# KiCad board ghoul.kicad_pcb (continued)
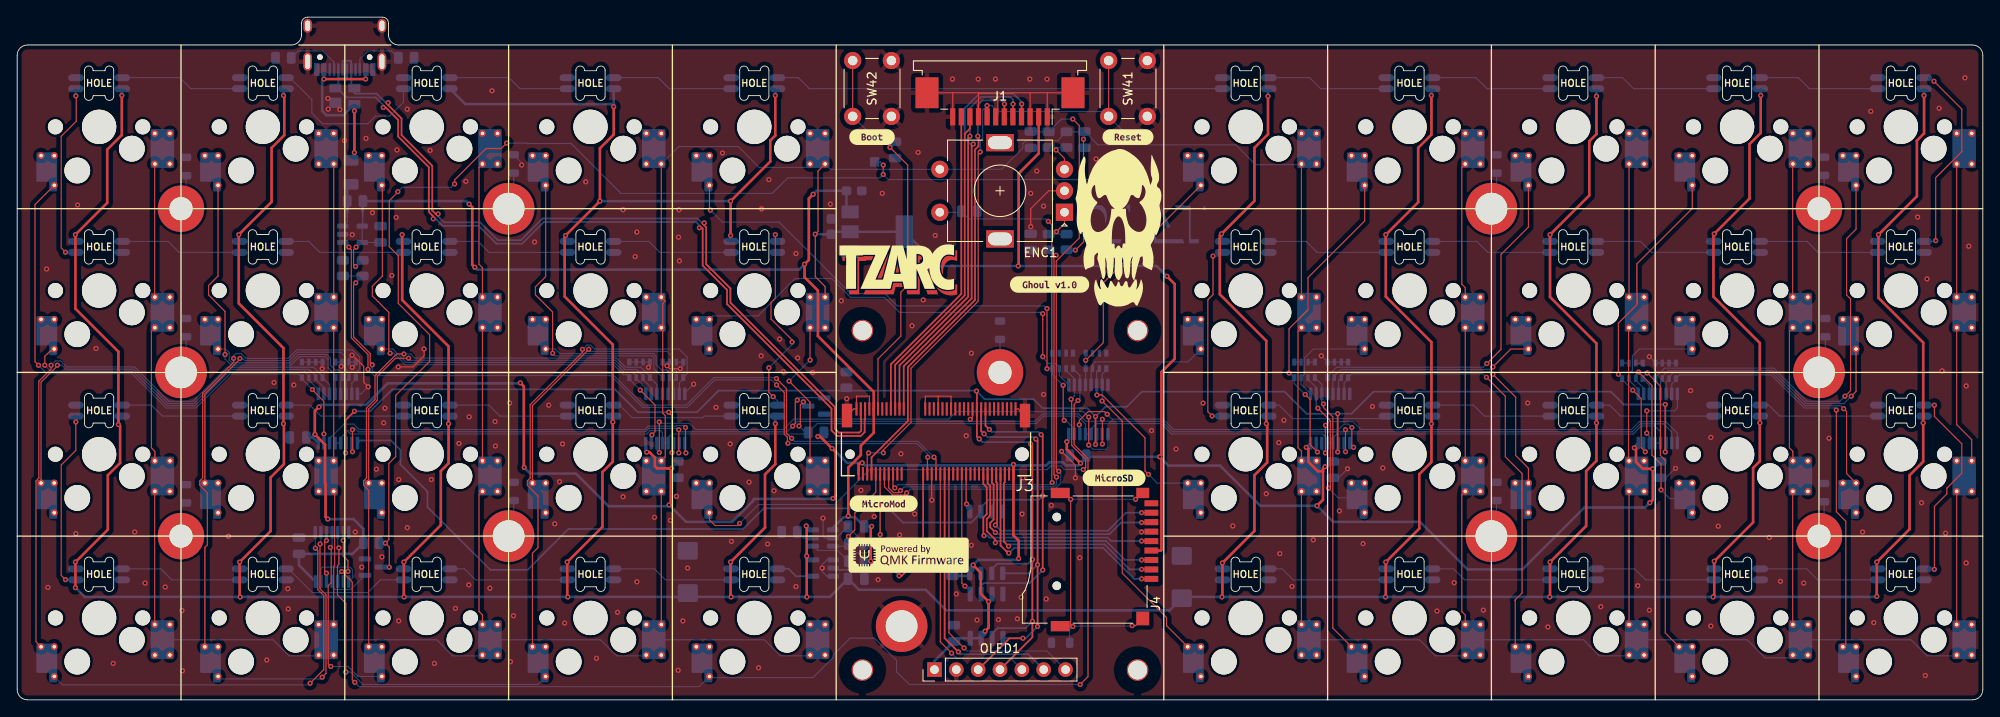
[diagram p0: board, top side]
## Routing (per net, layer and track width the routed paths; a pad name or vN(x,y) marks a point on that pad's centre or on a via; arc(x,y) is an arc through that point) (continued)
MOSI: length 47
  Top w0.2: v1(118.67,8.53) v1(118.67,15.73) 118.67,30.14 v1(118.46,30.35) ; v1(116.97,7.16) 115.41,7.16 OLED1.3 ; v1(112.44,30.96) 112.11,31.29 J3.59
  Bottom w0.2: U9.5 117.65,14.71 v1(118.67,15.73) ; v1(118.46,30.35) 118.23,30.58 112.82,30.58 v1(112.44,30.96) ; v1(118.67,8.53) 117.3,7.16 v1(116.97,7.16) U3.5
nBOOT: length 46.2
  Top w0.13: v1(101.5,64.29) 103.57,62.23 103.57,48.23 102.77,47.43 102.77,42.33 100.11,39.67 J3.11 ; SW42.1 SW42.1
  Bottom w0.13: C19.1 101.65,65.4 D42.2 ; 99.66,65.4 SW42.1 ; v1(101.5,64.29) 102.1,64.89
nRESET: length 74.5
  Top w0.13: v1(99.02,28.72) 98.86,28.57 J3.6 ; v1(112,63.75) 111.76,63.52 111.76,46.39 103.95,38.57 103.95,32.29 100.73,29.08 v1(100.73,28.75) ; SW41.1 SW41.1 ; v1(112.8,69.16) 112.8,69.16 J1.8
  Bottom w0.13: v1(100.73,28.75) 99.04,28.75 v1(99.02,28.72) ; 126.36,68.46 114.06,68.46 113.36,69.16 v1(112.8,69.16) 112.28,68.65 112.28,65.35 112,65.06 v1(112,63.75) ; 129.18,65.64 SW41.1
OLED_CS: length 30.4
  Top w0.13: J3.40 107.36,6.74 v1(108.67,5.43)
  Bottom w0.13: v1(108.67,5.43) 109.27,4.83 115.53,4.83 OLED1.5
OLED_DC: length 32.2
  Top w0.2: J3.42 107.86,7.18 v1(109.46,5.57)
  Bottom w0.2: v1(109.46,5.57) 109.72,5.32 117.58,5.32 OLED1.6
OLED_RST: length 33.8
  Top w0.13: J3.44 108.36,7.79 v1(110.12,6.03)
  Bottom w0.13: v1(110.12,6.03) 110.47,5.68 119.76,5.68 OLED1.7
ROT_A: length 5.1
  Top w0.13: v1(120.87,54.48) 121.8,55.41 ENC1.A
  Bottom w0.13: v1(120.87,54.48) 120.58,54.19 ; R6.2 R4.2
ROT_B: length 5.2
  Top w0.13: ENC1.B 121.8,63 v1(120.82,63.98)
  Bottom w0.13: v1(120.82,63.98) 120.53,64.27 ; R7.2 R5.2
SCK: length 240.8
  Top w0.2: v1(153.57,33.3) v1(153.57,28.84) ; OLED1.4 118.07,7.29 v1(118.07,9.13) v1(118.07,16.33) 118.07,29.57 v1(117.87,29.77) ; v1(125.41,29.72) 125.41,32.96 v1(125.42,32.97) ; v1(75.77,33.47) 76.14,33.09 v1(76.14,28.76) ; v1(191.67,34.37) v1(191.67,28.84) ; v1(38.19,28.74) 38.19,32.55 v1(39.22,33.58) ; v1(111.57,35.93) 111.61,35.89 J3.57 111.61,30.63 v1(111.88,30.36)
  Bottom w0.2: v1(118.07,16.33) 117.57,15.83 113.97,15.83 113.34,15.21 ; v1(38.19,28.74) 38.27,28.82 U4.11 ; v1(118.07,9.13) 117.28,8.34 114.03,8.34 113.38,7.69 ; v1(153.57,28.84) 153.67,28.95 U7.11 ; 76.34,29.88 76.34,28.96 v1(76.14,28.76) ; v1(191.67,34.37) 186.83,34.37 185.34,35.86 157.74,35.86 155.18,33.3 v1(153.57,33.3) 153.55,33.28 149.97,33.28 147.39,35.86 130.79,35.86 129.04,34.1 126.55,34.1 v1(125.42,32.97) 124.46,33.93 119.27,33.93 118.22,34.98 112.52,34.98 v1(111.57,35.93) 111.52,35.98 96.77,35.98 ; v1(191.67,28.84) 191.77,28.95 U8.11 ; v1(111.88,30.36) 112.26,29.98 117.66,29.98 v1(117.87,29.77) ; U6.11 125.54,29.86 v1(125.41,29.72) ; 96.77,35.98 81.57,35.98 79.07,33.48 75.78,33.48 v1(75.77,33.47) 72.18,33.47 69.52,36.13 43.62,36.13 41.07,33.58 v1(39.22,33.58) ; 96.77,35.98 R13.2
SDIO_CLK: length 27.3
  Top w0.2: v1(130.77,18.48) 131.89,18.48 ; J3.60 112.36,25.13 112.76,24.73 112.76,21.61 112.36,21.21 112.36,19.18 v1(112.44,19.1)
  Bottom w0.2: v1(112.44,19.1) 112.85,19.1 113.07,18.88 126.8,18.88 127.2,18.48 v1(130.77,18.48)
SDIO_CMD: length 27.9
  Top w0.2: v1(113.76,18.28) 113.76,18.63 112.76,19.63 112.76,21.04 113.16,21.44 113.16,24.89 112.86,25.2 J3.62 ; v1(130.77,16.28) 131.89,16.28
  Bottom w0.2: v1(130.77,16.28) 128.83,16.28 126.63,18.48 113.96,18.48 v1(113.76,18.28)
SDIO_DATA0: length 26.1
  Top w0.2: J3.64 113.36,25.26 113.56,25.06 113.56,20.98 113.16,20.58 113.16,20.08 v1(113.76,19.48) ; v1(130.77,20.63) 131.86,20.63
  Bottom w0.2: v1(130.77,20.63) 128.38,20.63 127.03,19.28 113.96,19.28 v1(113.76,19.48)
SDIO_DATA1: length 25.4
  Top w0.2: v1(130.77,21.78) 131.89,21.78 ; J3.66 113.86,25.33 113.96,25.23 113.96,20.53 v1(113.76,20.33)
  Bottom w0.2: v1(130.77,21.78) 128.97,21.78 126.87,19.68 114.41,19.68 v1(113.76,20.33)
SDIO_DATA2: length 28
  Top w0.2: J3.68 114.36,17.97 115.05,17.27 115.12,17.27 v1(115.32,17.07) ; v1(130.77,14.08) 131.89,14.08
  Bottom w0.2: v1(130.77,14.08) 129.9,14.08 126.3,17.68 115.96,17.68 115.35,17.07 v1(115.32,17.07)
SDIO_DATA3: length 26.6
  Top w0.2: v1(130.77,15.18) 131.89,15.18 ; v1(115.3,17.87) 114.76,18.41 114.76,25.23 114.86,25.33 J3.70
  Bottom w0.2: v1(115.3,17.87) 115.51,18.08 126.47,18.08 129.37,15.18 v1(130.77,15.18)
SK6803_DAT_3V3: length 21
  Top w0.2: v1(102.57,14.43) 102.87,14.43 105.36,16.92 J3.32
  Bottom w0.2: 95.11,15.13 101.87,15.13 v1(102.57,14.43)
SK6803_DAT_5V: length 4.6
  Bottom w0.2: U2.4 90.57,14.38 89.71,15.24 D35.2
SK6803_EN: length 10.8
  Top w0.13: v1(96.67,19.01) 97.41,19.76 97.41,21.72 99.86,24.17 J3.10
  Bottom w0.13: 96.67,18.33 v1(96.67,19.01) ; 96.41,17.88 U1.3
SK6803_NFAULT: length 17.2
  Top w0.13: J3.12 100.36,19.24 v1(100.37,19.23)
  Bottom w0.13: v1(100.37,19.23) 100.37,18.68 98.79,17.1 97.62,17.1 R1.2 95.4,17.39 93.08,17.39 U1.4
SK6803_PWR: length 892.7
  Top w0.3: v1(12.17,70.33) 12.17,65.73 10.47,64.03 10.47,57.83 v1(6.77,54.13) 6.77,45.52 11.77,40.52 v1(11.77,32.03) 11.97,31.83 11.97,27.56 10.54,26.13 10.54,19.8 v1(6.77,16.03) v1(6.77,13.06) ; v1(164.47,70.33) 164.47,65.76 162.94,64.23 162.94,57.9 v1(159.17,54.13) 159.17,46.93 164.47,41.63 v1(164.47,32.13) 164.47,27.66 163.07,26.26 163.07,19.93 v1(159.17,16.03) 159.17,12.01 v1(159.13,11.97) ; v1(183.67,70.23) 183.67,65.83 182.84,65 182.84,58.7 v1(178.27,54.13) 178.27,46.88 183.67,41.48 v1(183.67,32.23) 183.67,27.81 182.47,26.61 182.47,20.23 v1(178.27,16.03) 178.27,12.01 v1(178.23,11.97) ; v1(30.97,70.33) 31.07,70.23 31.07,65.71 29.59,64.23 29.59,57.95 v1(25.77,54.13) 25.77,46.13 30.97,40.93 v1(30.97,32.13) 31.02,32.08 31.02,27.43 29.47,25.88 29.47,19.63 v1(25.87,16.03) 25.87,12.03 v1(25.93,11.97) ; v1(88.17,32.13) 88.17,27.43 86.97,26.23 86.97,20.03 v1(82.97,16.03) 82.97,12.03 v1(83.03,11.97) ; v1(44.77,54.13) 44.77,46.53 50.17,41.13 v1(50.17,32.13) 50.17,27.53 49.27,26.63 49.27,20.33 v1(44.97,16.03) 44.97,12.01 v1(45.01,11.97) ; v1(221.77,70.33) 221.77,65.91 220.94,65.08 220.94,58.6 v1(216.47,54.13) 216.47,46.78 221.67,41.58 v1(221.67,32.23) 221.67,27.71 220.09,26.13 220.09,19.85 v1(216.27,16.03) v1(216.27,12.03) ; v1(82.97,54.03) v1(82.97,58.03) 87.59,62.65 87.59,65.08 88.17,65.66 v1(88.17,70.33) ; v1(202.77,70.33) 202.77,65.96 201.47,64.66 201.47,58.33 v1(197.37,54.23) 197.27,54.13 197.27,46.93 202.67,41.53 v1(202.67,32.23) 202.67,27.76 201.89,26.98 201.89,20.65 v1(197.37,16.13) 197.37,12.11 v1(197.23,11.97) ; v1(140.11,11.97) 140.17,12.03 v1(140.17,15.93) 143.89,19.65 143.89,26.13 145.37,27.61 145.37,32.03 v1(145.27,32.13) 145.27,41.78 139.87,47.18 139.87,54.03 v1(140.07,54.23) 143.89,58.05 143.89,64.23 145.47,65.81 v1(145.47,70.23) ; v1(91.83,11.97) 91.82,11.98 v1(91.82,16.73) 91.82,20.18 v1(91.77,20.23) ; v1(69.37,69.03) 69.37,65.78 67.77,64.18 v1(67.77,58.03) v1(63.77,54.03) 63.67,53.93 63.67,46.93 69.27,41.33 v1(69.27,32.33) 69.27,27.71 68.07,26.51 68.07,20.13 v1(63.97,16.03) 63.97,12.03 v1(64.03,11.97)
  Bottom w0.3: v1(221.77,70.33) 221.77,71.11 ; v1(197.37,54.23) 197.37,53.39 ; v1(30.97,32.13) 30.97,32.71 D22.3 ; v1(178.27,54.13) 178.27,53.35 ; v1(50.17,32.13) 50.17,32.86 ; v1(6.77,13.06) 7.86,11.97 v1(25.93,11.97) v1(45.01,11.97) v1(64.03,11.97) 77.53,11.97 ; v1(63.77,54.03) 63.77,53.55 ; 135.58,11.97 v1(140.11,11.97) v1(159.13,11.97) v1(178.23,11.97) 216.21,11.97 v1(216.27,12.03) ; v1(91.77,20.23) 92.22,19.78 ; 69.37,71.11 v1(69.37,69.03) 69.07,69.33 52.11,69.33 D3.3 ; v1(140.17,15.93) 140.18,15.92 D36.3 ; v1(69.27,32.33) 69.27,32.91 ; v1(140.07,54.23) 140.07,53.45 ; D34.3 63.98,16.02 v1(63.97,16.03) ; v1(159.17,16.03) 159.23,15.97 D37.3 ; v1(88.17,32.13) 88.17,32.76 ; v1(82.97,54.03) 82.97,53.4 ; C4.1 134.03,10.42 108.05,10.42 105.66,12.81 97.89,12.81 C3.1 94.51,11.97 v1(91.83,11.97) v1(83.03,11.97) 78.44,11.97 ; v1(197.37,16.13) 197.33,16.09 D39.3 ; v1(145.47,70.23) 145.47,71.01 ; v1(183.67,70.23) 183.67,71.11 ; D26.3 145.27,32.71 v1(145.27,32.13) ; v1(159.17,54.13) 159.17,53.4 ; v1(221.67,32.23) 221.67,32.91 ; D32.3 25.88,16.02 v1(25.87,16.03) ; D11.3 6.83,54.07 v1(6.77,54.13) ; D38.3 178.28,16.02 v1(178.27,16.03) ; v1(216.47,54.13) 216.47,53.44 ; v1(164.47,70.33) 164.47,70.96 ; D35.3 83.03,15.97 v1(82.97,16.03) ; v1(25.77,54.13) 25.77,53.45 ; v1(88.17,70.33) 88.17,70.86 ; v1(11.77,32.03) 11.77,32.56 D21.3 ; v1(183.67,32.23) 183.67,33.01 ; v1(6.77,16.03) 6.83,15.97 D31.3 ; v1(202.67,32.23) 202.67,32.96 ; v1(216.27,16.03) 216.27,15.35 ; D33.3 44.93,15.99 v1(44.97,16.03) ; v1(67.77,58.03) v1(82.97,58.03) ; v1(202.77,70.33) 202.77,71.07 ; v1(12.17,70.33) 12.17,71.06 ; D2.3 30.97,70.81 v1(30.97,70.33) ; v1(44.77,54.13) 44.77,53.5 ; v1(164.47,32.13) 164.47,32.86 ; 92.27,16.28 v1(91.82,16.73)
SWCLK: length 46.1
  Top w0.2: J3.21 102.61,38.91 110.6,46.9 110.6,65.38 v1(110.8,65.58) ; v1(115.82,69.33) 115.82,67.86
  Bottom w0.2: v1(110.8,65.58) 110.8,68.87 112.09,70.16 115.51,70.16 115.82,69.85 v1(115.82,69.33)
SWDIO: length 48.4
  Top w0.2: v1(111.2,64.68) 111,64.48 111,46.7 103.11,38.81 J3.23 ; v1(116.82,69.33) 116.82,67.86
  Bottom w0.2: v1(111.2,64.68) 110.85,64.68 110.2,65.34 110.2,68.83 111.93,70.56 115.83,70.56 116.82,69.57 v1(116.82,69.33)
SWO: length 53.1
  Top w0.2: J3.8 99.36,28.22 103.58,32.44 103.58,38.73 111.4,46.54 111.4,64.03 111.8,64.43 111.8,65.5 v1(111.72,65.58) ; J1.6 114.8,69.31 v1(114.82,69.33)
  Bottom w0.2: v1(114.82,69.33) 114.39,69.76 112.26,69.76 111.72,69.22 v1(111.72,65.58)
VOLT_MEAS: length 91.9
  Top w0.13: v1(88.3,37.38) 89.47,36.21 89.47,31.03 v1(90.07,30.43) ; J3.38 106.86,27.99 v1(106.62,28.23) ; v1(41.3,38.98) 41.06,39.22 41.06,40.29 39.12,42.23 39.12,48.28 v1(39.37,48.53)
  Bottom w0.13: v1(39.37,48.53) 39.38,48.53 R12.1 R14.2 ; v1(106.62,28.23) 104.78,30.07 90.43,30.07 v1(90.07,30.43) ; v1(41.3,38.98) 41.3,38.32 41.62,37.99 69.14,37.99 72.84,34.29 77.81,34.29 81,37.48 88.2,37.48 v1(88.3,37.38)
Net-(C18-Pad1): length 9.6
  Top w0.13: v1(39.42,52.68) 39.12,52.38 39.12,50.67 v1(39.35,50.43)
  Bottom w0.13: U12.4 U12.5 ; U12.5 C18.1 ; U12.5 39.59,52.68 v1(39.42,52.68) ; R12.2 39.46,50.43 v1(39.35,50.43) ; NT3.1 40.18,55.18
Net-(D1-Pad2): length 21.2
  Top w0.13: v1(6.82,70.28) 6.87,70.23 6.87,67.33 5.12,65.58 5.12,52.58 v1(5.62,52.08)
  Bottom w0.13: v1(6.82,70.28) 6.82,71.11 ; v1(5.62,52.08) 5.64,52.06 D11.4
Net-(D1-Pad4): length 14.2
  Bottom w0.13: D1.4 18.91,72.39 20.19,71.11 D2.2
Net-(D2-Pad4): length 19
  Bottom w0.13: D3.2 44.93,69.54 43.3,67.91 41.65,67.91 40.77,67.03 35.52,67.03 34.27,68.28 34.27,69.83 31.71,72.39
Net-(D3-Pad4): length 14.2
  Bottom w0.13: D3.4 57.21,72.39 58.49,71.11 D4.2
Net-(D4-Pad4): length 14.2
  Bottom w0.13: D4.4 74.56,72.39 75.84,71.11 D5.2
Net-(D5-Pad4): length 52.3
  Bottom w0.13: D6.2 92.14,71.11 90.86,72.39 D5.4
Net-(D6-Pad4): length 14.2
  Bottom w0.13: D7.2 151.59,71.11 150.31,72.39 D6.4
Net-(D7-Pad4): length 14.2
  Bottom w0.13: D8.2 170.94,71.11 169.66,72.39 D7.4
Net-(D8-Pad4): length 14.2
  Bottom w0.13: D9.2 187.99,71.11 186.71,72.39 D8.4
Net-(D10-Pad2): length 14.2
  Bottom w0.13: D9.4 207.16,72.39 208.44,71.11 D10.2
Net-(D10-Pad4): length 23.1
  Top w0.13: v1(222.92,71.98) 226.15,68.75 226.15,63.79 223.12,60.76 v1(223.12,53.43)
  Bottom w0.13: v1(222.92,71.98) 222.51,72.39 ; D20.2 223.03,53.34 v1(223.12,53.43)
Net-(D11-Pad2): length 14.2
  Bottom w0.13: D12.4 18.84,52.06 17.56,53.34 D11.2
Net-(D12-Pad2): length 14.2
  Bottom w0.13: D12.2 33.91,53.34 35.19,52.06 D13.4
Net-(D13-Pad2): length 14.2
  Bottom w0.13: D13.2 53.61,53.34 54.89,52.06 D14.4
Net-(D14-Pad2): length 14.2
  Bottom w0.13: D15.4 74.74,52.06 73.46,53.34 D14.2
Net-(D15-Pad2): length 23.1
  Top w0.13: v1(90.12,41.63) 90.12,41.88 88.78,43.22 88.76,43.22 87.67,44.31 87.67,46.24 88.17,46.73 v1(88.17,54.13) ; v1(87.42,38.63) 87.42,35.78 v1(87.92,35.28)
  Bottom w0.13: v1(87.92,35.28) 88.43,34.77 D25.4 ; v1(87.42,38.63) 90.12,41.33 v1(90.12,41.63) ; v1(88.17,54.13) 88.17,53.6
Net-(D16-Pad2): length 14.2
  Bottom w0.13: D17.4 151.19,52.06 149.91,53.34 D16.2
Net-(D16-Pad4): length 21.6
  Top w0.13: v1(139.07,51.63) 139.07,47.15 138.47,46.55 138.47,33.53 v1(138.97,33.03)
  Bottom w0.13: D26.2 138.99,33.01 v1(138.97,33.03) ; D16.4 139.74,51.63 v1(139.07,51.63)
Net-(D17-Pad2): length 14.2
  Bottom w0.13: D17.2 169.76,53.34 171.04,52.06 D18.4
Net-(D18-Pad2): length 14.2
  Bottom w0.13: D19.4 190.09,52.06 188.81,53.34 D18.2
Net-(D19-Pad2): length 14.2
  Bottom w0.13: D19.2 208.16,53.34 209.44,52.06 D20.4
Net-(D21-Pad2): length 21.2
  Top w0.13: v1(5.62,13.98) 5.12,14.48 5.12,27.33 6.82,29.03 v1(6.82,32.33)
  Bottom w0.13: v1(5.62,13.98) 5.64,13.96 D31.4 ; v1(6.82,32.33) 6.82,33.01
Net-(D21-Pad4): length 14.2
  Bottom w0.13: D22.2 16.89,33.01 15.61,34.29 D21.4
Net-(D22-Pad4): length 14.2
  Bottom w0.13: D22.4 34.06,34.29 35.34,33.01 D23.2
Net-(D23-Pad4): length 14.2
  Bottom w0.13: D23.4 54.86,34.29 56.14,33.01 D24.2
Net-(D24-Pad4): length 13.7
  Bottom w0.13: 70.06,34.29 71.52,32.83 79.72,32.83 79.9,33.01 D25.2
Net-(D26-Pad4): length 14
  Bottom w0.13: 158.94,32.73 148.32,32.73 146.76,34.29 D26.4
Net-(D27-Pad4): length 14.2
  Bottom w0.13: D27.4 169.36,34.29 170.64,33.01 D28.2
Net-(D28-Pad4): length 14.2
  Bottom w0.13: D28.4 185.21,34.29 186.49,33.01 D29.2
Net-(D29-Pad4): length 14.2
  Bottom w0.13: D30.2 204.99,33.01 203.71,34.29 D29.4
Net-(D30-Pad4): length 24.1
  Top w0.13: v1(222.97,15.18) 222.97,22.51 224.42,23.96 224.42,24.63 226.15,26.37 226.15,29.8 222.97,32.98 v1(222.97,34.28)
  Bottom w0.13: v1(222.97,15.18) 222.91,15.24 D40.2 ; v1(222.97,34.28) 221.79,34.28
Net-(D31-Pad2): length 14.2
  Bottom w0.13: D31.2 16.71,15.24 17.99,13.96 D32.4
Net-(D32-Pad2): length 15.1
  Bottom w0.13: 31.56,15.24 34.32,12.48 40.77,12.48 42.25,13.96 D33.4
Net-(D33-Pad2): length 14.2
  Bottom w0.13: D34.4 53.29,13.96 52.01,15.24 D33.2
Net-(D34-Pad2): length 14.2
  Bottom w0.13: D35.4 75.39,13.96 74.11,15.24 D34.2
Net-(D36-Pad2): length 14.2
  Bottom w0.13: D36.2 147.11,15.24 148.39,13.96 D37.4
Net-(D37-Pad2): length 14.2
  Bottom w0.13: D37.2 167.06,15.24 168.34,13.96 D38.4
Net-(D38-Pad2): length 14.2
  Bottom w0.13: D39.4 189.39,13.96 188.11,15.24 D38.2
Net-(D39-Pad2): length 14.2
  Bottom w0.13: D39.2 208.11,15.24 209.39,13.96 D40.4
Net-(D41-Pad1): length 144.3
  Top w0.13: v1(50.87,60.03) 50.87,60.49 54.53,64.16 56.29,64.16 v1(56.92,64.78) ; v1(43.27,15.43) 43.27,17.78 v1(42.82,18.23) 43.22,18.63 43.22,27.5 44.02,28.3 44.02,35.43 47.97,39.38 47.97,42.48 44.32,46.13 44.32,51.68 43.27,52.73 43.27,58.08 44.27,59.08 v1(44.27,59.13) ; v1(100.72,62.23) v1(100.72,61.13)
  Bottom w0.13: v1(100.72,62.23) 100.35,62.6 D42.1 ; v1(42.82,18.23) R11.1 ; Q2.3 43.26,15.44 v1(43.27,15.43) ; v1(44.27,59.13) 44.77,59.63 50.47,59.63 v1(50.87,60.03) ; D41.1 127.13,60.54 101.31,60.54 v1(100.72,61.13) 100.32,60.73 89.62,60.73 87.82,58.93 70.22,58.93 64.42,64.73 59.32,64.73 59.27,64.78 v1(56.92,64.78)
Net-(H1-Pad1): length 3.4
  Bottom w0.13: L1.1 210.29,38.84
Net-(H2-Pad1): length 3.3
  Bottom w0.13: L2.1 210.15,57.75
Net-(H3-Pad1): length 3.6
  Bottom w0.13: L3.1 19.65,38.7
Net-(H4-Pad1): length 4.1
  Bottom w0.13: L4.1 19.05,22.32 H4.1
Net-(H5-Pad1): length 3.6
  Bottom w0.13: L6.1 57.75,57.75
Net-(H6-Pad1): length 3.4
  Bottom w0.13: L7.1 210.15,19.65
Net-(H7-Pad1): length 3.6
  Bottom w0.13: L8.1 57.75,19.65
Net-(H8-Pad1): length 3.8
  Bottom w0.13: L9.1 H8.1
Net-(H9-Pad1): length 3.6
  Bottom w0.13: L10.1 172.05,57.75
Net-(H10-Pad1): length 3.3
  Bottom w0.13: L11.1 19.65,57.75
Net-(H11-Pad1): length 3.6
  Bottom w0.13: L12.1 172.05,19.65
Net-(J4-PadS): length 36.7
  Top w0.13: J4.S 130.06,8.63 v1(129.67,8.63) ; v1(130.07,23.33) 130.16,23.33 J4.S ; J4.S 122.73,8.57 v1(122.77,8.53) 122.52,8.78 v1(122.52,23.33) 121.78,24.07
  Bottom w0.13: v1(129.67,8.63) 129.62,8.58 122.82,8.58 v1(122.77,8.53) 122.41,8.17 L5.1 ; v1(122.52,23.33) v1(130.07,23.33)
Net-(NT2-Pad1): length 1.4
  Bottom w0.13: U12.3 38.4,55.67 NT2.1
Net-(Q2-Pad1): length 4.7
  Bottom w0.13: 36.62,13.18 36.96,12.84 38.79,12.84 40.44,14.49

## Copper pours and planes (outline as drawn; the poured copper is in the pictures)
GND on Top, Bottom: 231.58,-3.57 -1.79,-3.57 -1.79,83.94 231.58,83.94
